# KiCad board Turbo_XT_Mainboard R3.kicad_pcb (continued)
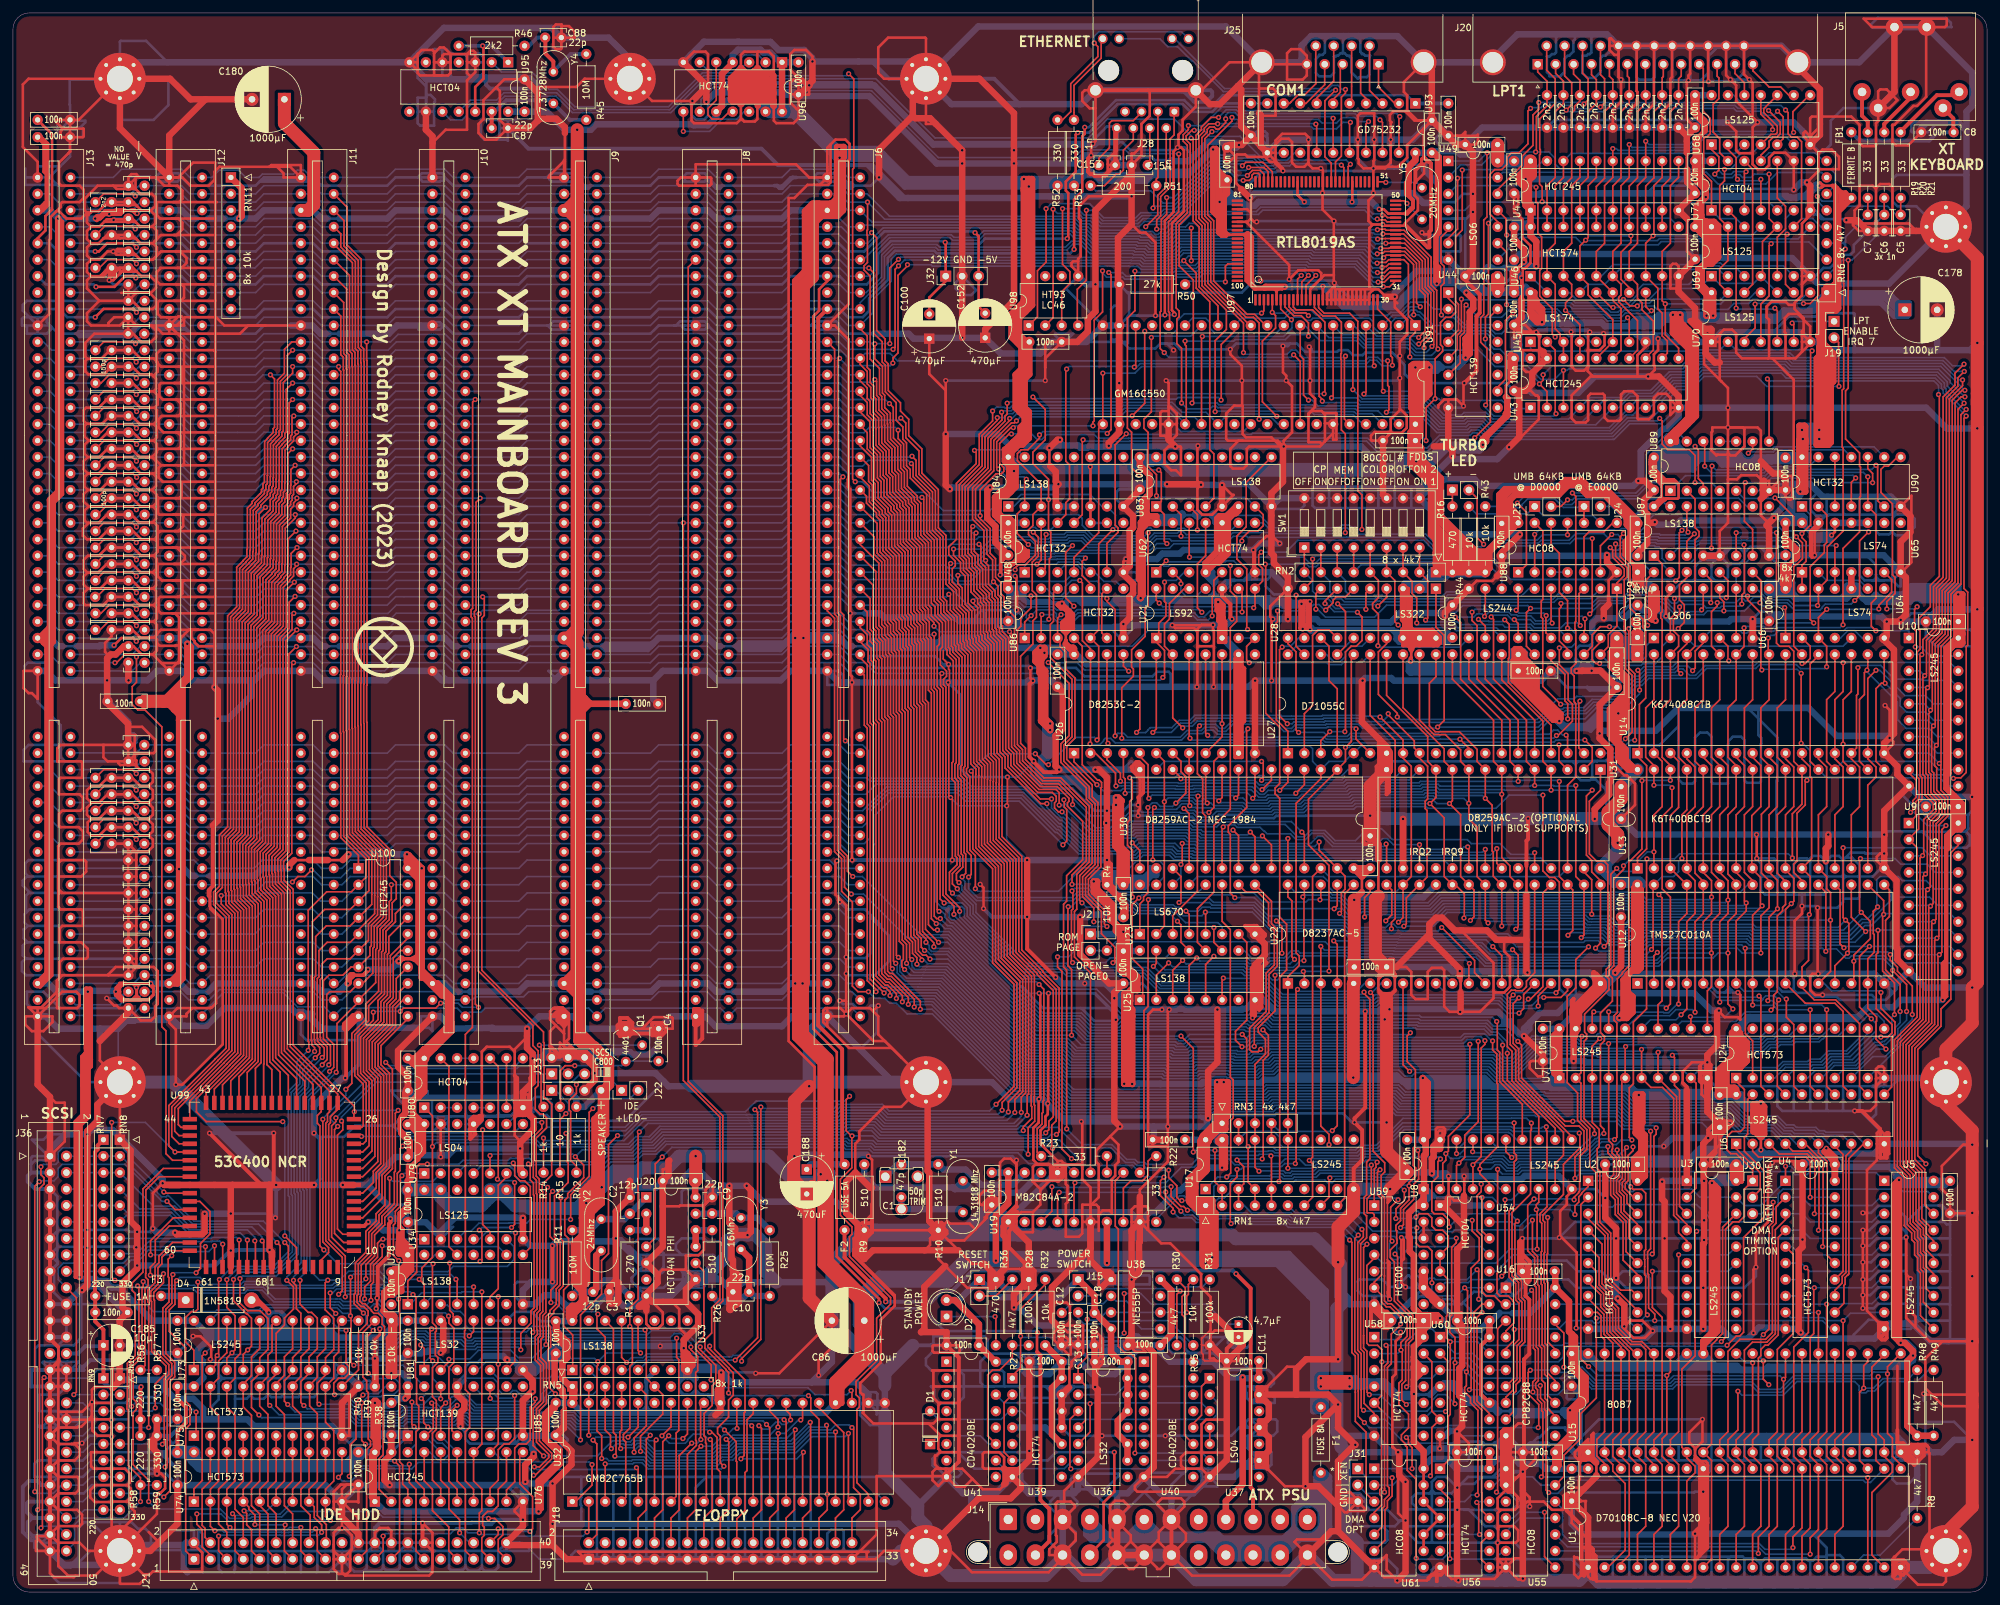
[diagram p0: board, top side]
## Routing (per net, layer and track width the routed paths; a pad name or vN(x,y) marks a point on that pad's centre or on a via; arc(x,y) is an arc through that point) (continued)
/~{KB_RESET}: length 48.9
  Top w0.25: U70.3 267.33,193.55 268.99,195.2 v1(268.99,198.88) ; R21.1 C5.1 ; v1(278.6,215.52) 278.76,215.35 278.76,200.23 277.5,198.97 v1(276.46,198.97)
  Bottom w0.25: v1(268.99,198.88) 269.09,198.98 276.44,198.98 v1(276.46,198.97) ; C5.1 290.74,212.69 289.43,214 282.07,214 281.29,214.77 279.34,214.77 v1(278.6,215.52)
/~{LOCK}: length 45.3
  Top w0.25: U1.29 271.14,10.16 269.49,8.5 v1(269.49,5.96)
  Bottom w0.25: U55.9 269.1,6.35 v1(269.49,5.96)
/~{LPT_ACK}: length 30.5
  Top w0.25: J20.10 260.99,235.28 260.99,228.62 262.06,227.55 262.06,225.21 261.58,224.73 261.33,224.73 261.05,224.45 261.05,219.04 262.25,217.83 U71.1
  Bottom w0.25: U71.1 263.52,212.09 266.06,212.09 U69.12
/~{LPT_AUTO_FD_XT}: length 86.4
  Top w0.25: v1(236.11,214.71) 236.11,217.01 235.71,217.41 235.71,221.9 235.83,222.02 235.83,222.72 235.73,222.82 235.73,227.47 238.12,229.87 238.12,233.68 236.81,235 J20.14
  Bottom w0.25: RN6.6 280.03,213.36 278.91,214.49 273.54,214.49 U71.5 271.21,214.57 261.41,214.57 261.34,214.5 236.87,214.5 236.67,214.71 v1(236.11,214.71) 236.03,214.63 225.43,214.63 224.15,213.36 U49.4
/~{LPT_BUSY}: length 21.4
  Top w0.25: U70.12 268.6,201.93 268.6,219.71 U71.12
/~{LPT_CS}: length 21.8
  Top w0.25: v1(158.1,158.72) 158.76,159.38 158.76,165.09 U48.13
  Bottom w0.25: U86.8 170.32,156.07 168.42,156.07 167.01,157.48 U48.5 166.06,157.48 164.49,159.06 161.41,159.06 161.08,158.72 v1(158.1,158.72)
/~{LPT_ERROR}: length 50.2
  Top w0.25: U68.5 273.32,224.42 273.32,227.8 v1(272.46,228.66) ; 239.57,238.76 239.57,234.13 240.66,233.05 240.66,229.68 v1(239.82,228.84)
  Bottom w0.25: v1(272.46,228.66) 271.82,228.03 270.45,228.03 269.81,228.66 266.13,228.66 265.68,229.11 246,229.11 245.49,228.6 240.06,228.6 v1(239.82,228.84)
/~{LPT_INIT}: length 91.4
  Top w0.25: v1(235.58,230) 235.58,228.98 234.7,228.09 234.7,223.39 232.99,221.69 232.99,220.31 229.24,216.56 U49.12 ; J20.16 242.34,234.54 243.2,233.68 243.2,230.41 v1(242.57,229.78) ; v1(273.69,228.85) 274.08,228.45 274.08,225.17 274.59,224.67 275.46,224.67 276.16,223.97 276.16,212.03 U69.9
  Bottom w0.25: U69.9 276.22,212.09 277.88,212.09 279.15,210.82 RN6.5 ; v1(235.58,230) 235.6,230.01 242.33,230.01 v1(242.57,229.78) 244.49,229.78 244.76,230.05 245.46,230.05 245.5,230.01 266.17,230.01 266.61,229.56 272.97,229.56 v1(273.69,228.85)
/~{LPT_IRQ_EN}: length 70.1
  Top w0.25: v1(271.46,208.22) 271.14,207.9 271.14,200.15 269.88,198.88 U70.4
  Bottom w0.25: U49.8 232.66,209.17 241.3,209.17 242.44,208.03 254,208.03 254.51,208.53 271.14,208.53 v1(271.46,208.22) 271.72,208.47 277.3,208.47 RN6.3
/~{LPT_RD_A}: length 41.5
  Top w0.25: v1(223.77,219.58) 223.77,210.31 222.74,209.28 222.74,199.3 223.19,198.85 223.19,194.9 221.62,193.32 U44.4
  Bottom w0.25: v1(223.77,219.58) 223.85,219.65 234.86,219.65 236.19,220.98 U47.19
/~{LPT_RD_B}: length 100.9
  Top w0.25: U68.4 271.45,225.1 272.14,225.1 272.42,225.37 272.42,226.37 270.33,228.46 270.33,229.05 U68.10 ; v1(248.66,199.59) 249.65,198.6 v1(250.8,198.6) ; U70.13 263.52,201.93 263.52,204.34 264.79,205.61 U69.13 263.52,212.09 263.52,217.17 264.26,217.91 v1(264.26,219.68) ; U44.5 223.01,191.89 223.01,194.08 223.64,194.71 223.64,199.65 v1(223.64,199.65)
  Bottom w0.25: U68.13 265.67,231.14 266.79,230.01 271.29,230.01 U68.10 ; U70.13 263.67,199.53 261.71,199.53 261.61,199.64 253.31,199.64 252.7,199.04 251.24,199.04 v1(250.8,198.6) ; v1(223.64,199.65) 223.76,199.53 240.76,199.53 241.21,199.08 247.99,199.08 248.49,199.59 v1(248.66,199.59) ; v1(264.26,219.68) 265.16,219.68 266.06,220.58 266.06,221.38 266.94,222.25 268.6,222.25 U68.4
/~{LPT_RD_C}: length 98
  Top w0.25: U69.4 270.13,203.45 270.13,208.53 U69.10 271.14,212.09 v1(271.14,218.95) ; v1(262.77,218.95) 263.39,219.58 263.39,221.62 262.25,222.76 U68.1 ; U44.6 223.46,189.8 223.46,193.89 224.11,194.54 224.11,198.5 v1(224.37,198.75)
  Bottom w0.25: v1(271.14,218.95) 268.86,218.95 268.35,218.44 267.04,218.44 266.61,218.87 265.91,218.87 265.46,218.42 263.3,218.42 v1(262.77,218.95) ; v1(224.37,198.75) 226.27,196.85 229.87,196.85 231.65,198.63 240.31,198.63 240.76,198.18 246.17,198.18 246.72,197.63 247.81,197.63 248.59,198.41 249.54,198.41 250.62,199.49 252.52,199.49 254.32,201.3 260.35,201.3 U69.1 263.38,202.07 268.75,202.07 U69.4 U70.10
/~{LPT_SELECT_IN}: length 91.7
  Top w0.25: v1(234.31,229.11) 233.91,228.71 233.91,223.63 232.54,222.25 231.38,222.25 230.65,221.52 230.65,220.44 229.86,219.65 228.78,219.65 228.03,218.9 228.03,212.78 229.24,211.58 U49.10 ; v1(245.11,229.33) 245.75,229.96 245.75,233.68 245.11,234.31 245.11,234.95 245.12,234.95 245.12,238.76 ; U71.11 269.88,221.87 271.14,223.14 271.14,224.04 271.75,224.65 272.32,224.65 272.87,225.19 272.87,226.98 v1(271.07,228.77)
  Bottom w0.25: RN6.9 279.53,220.98 278.26,222.25 271.14,222.25 U71.11 ; v1(234.31,229.11) 234.44,229.24 235.97,229.24 236.3,229.56 240.39,229.56 240.91,229.05 244.84,229.05 v1(245.11,229.33) 245.34,229.56 265.87,229.56 266.31,229.11 270.73,229.11 v1(271.07,228.77)
/~{LPT_STROBE}: length 88.5
  Top w0.25: J20.1 235.42,234.73 236.85,233.3 C29.1 236.85,229.49 235.22,227.85 235.22,222.48 v1(235.1,222.37) ; v1(267.59,219.33) 267.33,219.07 U71.3
  Bottom w0.25: RN6.7 281.31,217.17 281.31,219.07 280.65,219.73 267.99,219.73 v1(267.59,219.33) 265.68,219.33 265.31,218.96 263.95,218.96 263.2,219.71 238.89,219.71 238.12,220.47 238.12,221.38 237.13,222.37 v1(235.1,222.37) 228.75,222.37 226.76,220.38 223.5,220.38 221.62,218.5 U49.2
/~{LPT_WR_A}: length 52.1
  Top w0.25: v1(227.82,211.36) 227.82,197.34 227.34,196.87 v1(227.34,193.51)
  Bottom w0.25: v1(227.82,211.36) 228.61,212.15 255.84,212.15 U46.11 ; v1(227.34,193.51) 227.34,192.39 U44.12
/~{LPT_WR_C}: length 39.3
  Top w0.25: v1(231.62,197.53) 230.44,196.35 230.44,187.26 229.24,186.06 U44.10 ; 252.09,198.5 252.73,197.87 v1(252.98,197.87) ; 252.09,198.5 252.09,198.63 ; 252.09,198.5 U45.9
  Bottom w0.25: v1(252.98,197.87) 252.54,197.42 249.74,197.42 249.65,197.51 248.96,197.51 248.18,196.73 246.34,196.73 245.79,197.28 240.17,197.28 240.07,197.18 239.38,197.18 238.44,198.13 232.22,198.13 v1(231.62,197.53)
/~{MEMR}: length 643.6
  Top w0.25: U16.7 231.71,32.95 231.71,38.16 232.54,38.99 232.54,44.58 232.02,45.1 232.02,47.62 231,48.64 231,58.84 231.78,59.61 231.78,66.41 232.13,66.76 232.13,67.46 231.78,67.81 v1(231.78,72.44) ; v1(135.86,189.78) 135.89,189.81 135.89,190.57 136.65,191.34 136.65,203.33 138.12,204.79 v1(138.12,204.96) ; v1(180.34,85.85) 182.24,83.95 v1(182.24,67.94) ; U97.31 212.55,201.55 v1(211.58,201.55) ; 27.3,70.49 25.65,70.49 24.97,71.17 24.97,74.75 32.12,81.9 32.12,81.92 33.81,83.61 33.81,104.6 32.15,106.26 v1(32.15,107.55) ; v1(46.1,111.51) 45.08,110.49 44,110.49 v1(43.16,109.65) ; v1(127.63,190.5) 127.31,190.18 127.31,151.2 127.76,150.75 127.76,114.71 128.84,113.63 128.84,111.32 v1(129.67,110.49) ; RN1.2 U17.2 185.59,63.33 v1(185.59,68.2) ; v1(19.03,189.93) 18.59,190.37 18.54,190.37 18.41,190.5 14.86,190.5 13.59,189.23 C104.2 ; U100.1 53.34,113.78 50.62,116.5 50.62,132.6 50.56,132.66 50.56,141.66 50.62,141.72 50.62,188.48 50.28,188.81 v1(50.28,189.23)
  Bottom w0.25: v1(138.12,204.96) 141.75,204.96 141.97,204.74 172.28,204.74 172.32,204.71 173.68,204.71 174.15,204.24 179.03,204.24 179.19,204.41 182.7,204.41 183.23,204.94 199.66,204.94 199.99,204.61 207.12,204.61 210.19,201.55 v1(211.58,201.55) ; C104.2 6.98,189.23 5.71,190.5 J13.12 ; U100.1 52.07,111.76 50.62,110.31 47.55,110.31 46.35,111.51 v1(46.1,111.51) ; v1(135.86,189.78) 135.46,189.38 128.76,189.38 v1(127.63,190.5) J6.12 120.01,190.5 118.75,189.23 108.58,189.23 107.31,190.5 J8.12 99.69,190.5 98.42,189.23 88.26,189.23 86.99,190.5 J9.12 79.38,190.5 78.1,189.23 67.94,189.23 66.67,190.5 J10.12 59.05,190.5 57.78,189.23 v1(50.28,189.23) 47.62,189.23 46.35,190.5 J11.12 38.73,190.5 37.46,189.23 27.3,189.23 26.03,190.5 J12.12 19.68,190.5 19.11,189.93 v1(19.03,189.93) ; v1(182.24,67.94) 182.5,68.2 v1(185.59,68.2) 185.74,68.06 193.79,68.06 193.87,68.14 194.51,68.14 194.82,67.82 207.49,67.82 208.2,68.53 210.64,68.53 214.56,72.44 v1(231.78,72.44) ; v1(129.67,110.49) 131.15,110.49 140.13,101.5 144.4,101.5 158.3,87.61 164.23,87.61 165.99,85.85 180.34,85.85 v1(180.34,85.85) ; v1(32.15,107.55) 36.94,107.55 39.03,109.65 v1(43.16,109.65)
/~{MEMW}: length 645
  Top w0.25: v1(234.44,72.41) 234.44,71.38 234.31,71.25 234.31,61.47 231.45,58.6 231.45,48.82 232.47,47.81 232.47,45.29 232.99,44.77 232.99,38.8 232.22,38.04 232.22,32.83 231.63,32.24 231.63,31.21 230.5,30.08 U16.8 ; J11.11 43.05,193.04 41.91,191.9 41.91,188.21 40.84,187.14 40.84,179.67 40.62,179.46 40.62,178.87 39.75,178 39.75,177.93 39.31,177.49 39.31,172.43 39.27,172.4 39.27,171.17 39.06,170.95 39.06,170.28 38.82,170.04 38.82,169.63 37.37,168.18 37.37,167.93 36.65,167.2 36.65,160.89 36.57,160.82 36.57,159.69 35.97,159.08 35.97,159.04 34.99,158.06 34.99,151.96 33.6,150.56 33.6,117.99 32.33,116.72 32.33,108.8 31.43,107.9 31.43,106.35 33.36,104.42 33.36,83.8 31.67,82.1 31.67,82.08 24.52,74.94 24.52,70.35 25.65,69.22 27.3,69.22 ; U97.32 212.61,203.14 211.75,202.27 v1(210.79,202.27) ; C103.2 14.01,193.04 18.64,193.04 v1(18.92,192.76) ; v1(189.8,86.11) 190.49,85.42 190.49,69 v1(190.7,68.78) 190.7,63.3 U17.4 RN1.4 ; v1(136.73,204.78) 136.2,204.25 136.2,192.21 v1(135.89,191.9) ; v1(129.44,107.78) 128.39,108.84 128.39,113.44 127.31,114.53 127.31,150.57 126.86,151.01 126.86,191.91 J6.11
  Bottom w0.25: C103.2 5.97,191.77 4.7,193.04 J13.11 ; v1(190.7,68.78) 190.77,68.72 194.57,68.72 195.01,68.27 207.3,68.27 208.01,68.98 210.46,68.98 214.63,73.15 231.36,73.15 231.38,73.17 233.69,73.17 v1(234.44,72.41) ; v1(129.44,107.78) 131.32,107.78 138.04,101.05 144.21,101.05 158.11,87.16 164.04,87.16 165.8,85.4 179.75,85.4 180.02,85.13 180.7,85.13 181.68,86.11 v1(189.8,86.11) ; v1(18.92,192.76) 19.2,193.04 J12.11 26.03,193.04 27.3,191.77 37.46,191.77 38.73,193.04 J11.11 46.35,193.04 47.62,191.77 57.91,191.77 59.18,193.04 J10.11 66.67,193.04 67.94,191.77 78.1,191.77 79.38,193.04 J9.11 86.99,193.04 88.26,191.77 98.42,191.77 99.69,193.04 J8.11 107.31,193.04 108.58,191.77 118.75,191.77 120.01,193.04 J6.11 127.6,193.04 128.74,191.9 v1(135.89,191.9) ; v1(136.73,204.78) 137.64,205.69 141.66,205.69 142.15,205.19 172.47,205.19 172.5,205.16 173.87,205.16 174.34,204.69 178.84,204.69 179.01,204.86 182.52,204.86 183.05,205.39 199.85,205.39 200.17,205.06 207.31,205.06 210.1,202.27 v1(210.79,202.27)
/~{MOTEA}: length 25.6
  Top w0.25: v1(103.44,23.7) 104.14,24.4 U32.33 ; v1(101.25,24.14) 100.33,23.21 100.33,12.7 99.06,11.43 J18.10
  Bottom w0.25: v1(103.44,23.7) 101.69,23.7 v1(101.25,24.14)
/~{MOTEB}: length 31.2
  Top w0.25: U32.34 101.6,25.53 v1(100.2,24.13) ; J18.16 106.68,11.43 107.95,12.7 107.95,23.28 v1(107.66,23.57)
  Bottom w0.25: v1(107.66,23.57) 107.37,23.57 106.55,24.38 105.03,24.38 104.16,23.52 104.16,23.35 103.79,22.98 101.36,22.98 v1(100.2,24.13)
/~{MR}: length 128.2
  Bottom w0.25: J6.89 127.34,111.76 126.07,113.03 120.01,113.03 118.75,111.76 J8.89 108.58,111.76 107.31,113.03 99.69,113.03 98.42,111.76 J9.89 88.26,111.76 86.99,113.03 79.38,113.03 78.1,111.76 J10.89 67.94,111.76 66.67,113.03 52.07,113.03 50.8,111.76 J11.89 47.62,111.76 46.35,113.03 38.48,113.03 37.21,111.76 J12.89 27.94,113.03 C167.2 19.01,111.76 J13.89
/~{MWTC}: length 69.3
  Top w0.25: U16.9 231.65,27.81 231.65,30.59 232.08,31.02 232.08,32.05 232.5,32.47 232.59,32.52 232.62,32.59 232.67,32.65 232.67,37.86 233.44,38.62 233.44,44.95 232.92,45.47 232.92,47.99 231.9,49.01 231.9,56.9 v1(232.28,57.28)
  Bottom w0.25: v1(232.28,57.28) 231.14,58.42 217.3,58.42 216.92,58.8 216.4,58.8 216.17,58.56 197.98,58.56 RN1.6
/~{MW}: length 128.2
  Bottom w0.25: J6.90 128.9,109.22 127.63,110.49 120.01,110.49 118.75,109.22 J8.90 108.58,109.22 107.31,110.49 99.69,110.49 98.42,109.22 J9.90 88.26,109.22 86.99,110.49 79.38,110.49 78.1,109.22 J10.90 67.94,109.22 66.67,110.49 52.07,110.49 50.8,109.22 J11.90 47.62,109.22 46.35,110.49 38.61,110.49 37.34,109.22 J12.90 26.77,109.22 25.5,110.49 C168.2 19.01,109.22 J13.90
/~{OE_RD_H}: length 100.7
  Top w0.25: v1(19.24,47.27) 19.45,47.06 19.45,36.48 18.11,35.14 18.11,28.89 v1(18.33,28.67) ; v1(55.28,45.05) 55.28,47.45 55.67,47.84 55.67,50.45 57.01,51.8 v1(57.01,53.48) ; v1(28.27,27.79) 28.27,24.46 U75.1
  Bottom w0.25: U78.10 74.93,53.34 57.15,53.34 v1(57.01,53.48) ; v1(18.33,28.67) 18.84,29.17 22.73,29.17 23.72,28.19 27.87,28.19 v1(28.27,27.79) ; v1(19.24,47.27) 19.64,46.87 27.81,46.87 28.52,46.16 35.75,46.16 36.2,46.61 38.48,46.61 40.28,44.81 49.75,44.81 49.76,44.8 50.41,44.8 50.95,44.25 54.47,44.25 v1(55.28,45.05)
/~{OE_WR_H_DLY}: length 68.8
  Top w0.25: U81.11 71.12,40.22 v1(70.46,39.56) ; v1(29.68,36.93) 29.21,36.46 29.21,17.27 29.24,17.24 27.94,15.94 U74.1
  Bottom w0.25: v1(70.46,39.56) 70.13,39.89 64.2,39.89 63.78,40.31 60.02,40.31 57.99,38.28 31.03,38.28 v1(29.68,36.93)
/~{OE_WR_H}: length 31.4
  Top w0.25: U80.13 67.31,81.15 67.31,53.34 U78.13
/~{PPI_CS}: length 77.7
  Top w0.25: U27.6 207.37,131.72 v1(207.37,133.31) ; v1(170.18,132.21) 170.18,151.71 168.91,152.98 v1(168.91,153.42)
  Bottom w0.25: v1(168.91,153.42) 168.73,153.42 167.78,154.36 167.78,155.68 167.39,156.08 165.98,156.08 165.1,156.96 165.1,157.81 164.3,158.61 162.42,158.61 U48.3 ; v1(207.37,133.31) 207.09,133.58 202.97,133.58 202.84,133.45 198.86,133.45 198.85,133.47 198.15,133.47 197.59,132.9 196.22,132.9 195.09,134.03 188.39,134.03 187.27,132.92 186.15,132.92 185.52,133.54 184,133.54 183.5,133.03 181.26,133.03 180.25,132.02 172.09,132.02 171.5,132.61 170.58,132.61 v1(170.18,132.21)
/~{PPI_PB3}: length 38
  Top w0.25: v1(244.98,143.38) 244.42,143.38 243.84,143.96 243.84,145.41 245.11,146.68 U29.19 ; RN4.6 264.79,156.21 264.79,153.8 v1(264.55,153.55) ; v1(256.54,153.42) 256.54,150.95 255.9,150.31 255.9,147.32
  Bottom w0.25: 255.9,147.32 254.63,146.05 254.63,144.41 253.58,143.35 251.65,143.35 251.4,143.09 245.27,143.09 v1(244.98,143.38) ; v1(264.55,153.55) 256.67,153.55 v1(256.54,153.42)
/~{PPI_PB6}: length 10.2
  Top w0.25: U66.6 U66.9
  Bottom w0.25: RN4.7 U66.9
/~{PPI_PB7}: length 108.4
  Top w0.25: v1(264.16,151.51) 264.16,152.91 263.52,153.54 263.52,154.94 ; v1(243.46,151.03) 243.84,151.42 v1(243.84,162.69) ; U64.1 273.69,151.89 v1(273.56,152.02) ; U28.9 200.66,156.21 v1(200.66,159.51) ; v1(269.73,152.76) 269.88,152.91 269.88,156.21 268.6,157.48
  Bottom w0.25: v1(243.84,162.69) 241.17,162.69 240.41,161.93 236.09,161.93 235.71,161.54 229.17,161.54 227.64,160.02 201.17,160.02 v1(200.66,159.51) ; v1(243.46,151.03) 245.08,152.65 248.92,152.65 249.79,153.53 251.84,153.53 252.45,152.91 254.65,152.91 256.62,150.94 261.05,150.94 261.62,151.51 v1(264.16,151.51) 267.33,151.51 268.59,152.76 v1(269.73,152.76) 270.22,152.27 273.3,152.27 v1(273.56,152.02)
/~{RAM_ACT}: length 45.5
  Top w0.25: v1(293.72,145.95) 293.86,146.09 293.86,148.38 293.61,148.64 293.61,151.75 v1(294,152.15) ; U90.8 290.96,175.26 289.56,173.86 288.93,173.86 288.42,173.35 288.42,169.8 290.19,168.02 290.19,157.08 290.59,156.68 290.59,154.2 289.32,152.93 v1(289.32,151.81)
  Bottom w0.25: U10.19 300.1,144.53 296.04,144.53 294.61,145.95 v1(293.72,145.95) ; v1(289.32,151.81) 293.67,151.81 v1(294,152.15)
/~{RAMCS1}: length 69.3
  Top w0.25: U88.6 245.11,161.56 v1(246.85,163.3) ; v1(272.05,168.96) 274.96,166.05 274.96,163.35 v1(275.36,162.95) 276.29,162.02 276.29,159.55 275.42,158.69 275.3,158.69 274.95,158.35 274.95,146.05 U14.22
  Bottom w0.25: v1(272.05,168.96) 271.98,168.89 267.23,168.89 U89.5 ; v1(246.85,163.3) 247.8,163.3 248.6,162.5 253.83,162.5 253.99,162.33 259.42,162.33 259.77,162.69 259.95,162.69 260.09,162.83 266.69,162.83 266.75,162.89 267.82,162.89 267.88,162.83 275.24,162.83 v1(275.36,162.95)
/~{RDD}: length 72.5
  Top w0.25: v1(125.62,25.76) 125.73,25.64 125.73,12.7 124.46,11.43 J18.30 ; RN5.5 97.79,30.48 97.79,25.67 95.9,23.79 v1(95.9,21.59)
  Bottom w0.25: v1(95.9,21.59) 95.9,21.81 96.59,22.5 97.17,22.5 98.78,20.9 108.26,20.9 109.1,21.74 110.58,21.74 111.72,22.88 117.42,22.88 117.44,22.86 118.88,22.86 118.9,22.88 120.28,22.88 122.88,25.48 125.34,25.48 v1(125.62,25.76) ; v1(125.73,15.11) 133.48,15.11 U32.20
/~{RDY}_WAIT: length 110.3
  Top w0.25: v1(208.28,56.01) 208.5,55.79 208.5,54.83 207.63,53.97 207.63,37.35 208.16,36.82 208.16,31.24 208.16,31.23 208.16,28.44 v1(208.53,28.07) ; v1(221.2,27.88) 221.47,28.15 221.47,35.7 U60.2 ; U19.3 160.4,58.8 160.4,62.58 v1(160.41,62.59) ; v1(181.34,58.96) 180.76,59.54 180.35,59.54 178.81,61.08 v1(178.81,62.6)
  Bottom w0.25: v1(208.28,56.01) 206.62,57.66 197.51,57.66 197.06,58.11 190.94,58.11 190.49,58.56 185.85,58.56 185.25,57.97 183.08,57.97 182.09,58.96 v1(181.34,58.96) ; v1(160.41,62.59) 160.52,62.48 177.63,62.48 177.75,62.6 v1(178.81,62.6) ; v1(221.2,27.88) 221.13,27.94 219.07,27.94 U58.9 212.79,26.67 211.52,27.94 208.66,27.94 v1(208.53,28.07)
/~{REFRESH}: length 355.6
  Top w0.25: 240.66,69.85 240.66,70.36 232.03,78.99 232.03,83.69 231.18,84.55 231.18,91.74 v1(231.63,92.19) ; v1(236.22,123.06) 236.22,111.36 237.24,110.35 238.03,110.35 238.76,109.62 238.76,93.05 v1(238.25,92.55) ; v1(128.14,172.21) 127.76,171.83 127.76,151.38 128.27,150.88 128.27,131.7 v1(128.52,131.44) ; v1(19.1,172.13) 18.49,172.74 14.03,172.74 C112.2
  Bottom w0.25: v1(128.52,131.44) 129.16,130.81 131.19,130.81 132.08,129.92 132.08,126.11 132.53,125.66 146.75,125.66 148.03,124.39 156.41,124.39 157.48,123.32 162.95,123.32 166.42,119.85 171.81,119.85 172.58,120.61 174.08,120.61 174.28,120.41 180.18,120.41 180.33,120.26 182.24,120.26 182.84,119.65 184.95,119.65 185.84,120.54 189.45,120.54 189.96,120.03 194.47,120.03 194.82,120.37 199.36,120.37 199.89,120.9 207.04,120.9 207.42,121.28 218.17,121.28 218.43,121.03 228.98,121.03 231.01,123.06 v1(236.22,123.06) ; v1(231.63,92.19) 231.98,92.55 v1(238.25,92.55) ; v1(128.14,172.21) 127.63,172.72 J6.19 120.01,172.72 118.75,171.45 108.58,171.45 107.31,172.72 J8.19 99.69,172.72 98.42,171.45 88.26,171.45 86.99,172.72 J9.19 79.38,172.72 78.1,171.45 67.94,171.45 66.67,172.72 J10.19 59.05,172.72 57.78,171.45 47.62,171.45 46.35,172.72 J11.19 38.73,172.72 37.46,171.45 27.3,171.45 26.03,172.72 J12.19 19.68,172.72 19.1,172.13 v1(19.1,172.13) ; J13.19 5.71,172.72 6.98,171.45 C112.2
/~{RESET}: length 634.1
  Top w0.25: v1(214.82,62.05) 214.82,60.46 213.54,59.18 213.54,57.7 v1(213.52,57.68) ; 276.22,154.94 U65.1 276.22,158.53 276.86,159.16 276.86,162.18 276.22,162.81 v1(276.22,163.45) 277.56,164.78 277.56,191.44 v1(277.79,191.67) ; v1(60.17,68.87) 59.77,68.47 59.77,65.08 59.33,64.65 59.33,59.77 57.41,57.85 57.41,56.72 55.83,55.14 55.83,51.89 54.49,50.55 v1(54.49,48.38) ; v1(216.62,57.9) 217.14,58.42 218.44,58.42 219.07,57.79 219.07,56.51 219.71,55.88 220.73,55.88 221.62,54.99 221.62,53.34 U54.4 U54.5 221.48,48.39 221.48,42.73 221.32,42.57 221.32,39.25 v1(221.92,38.65) 221.92,27.43 221.62,27.12 221.62,20.32 U56.1 ; J21.1 26.67,6.35 26.67,25.21 27.33,25.87 27.33,28.8 26.67,29.46 26.67,37.72 24.13,40.26 24.13,43.56 25.02,44.45 25.02,47.85 v1(25.27,48.1) ; v1(195.48,63.4) 195.58,63.5 195.58,95 196.65,96.07 196.65,103.12 195.58,104.2 195.58,122.57 194.87,123.27 194.87,124.15 195.58,124.85 195.58,133.55 193.42,135.7 193.42,158.65 v1(193.35,158.72) ; v1(180.47,60.45) 180.21,60.45 179.7,60.96 179.7,62.74 178.44,64.01 v1(178.44,65.15) ; v1(256.74,156.14) 257.28,156.69 257.28,163.56 v1(257.68,163.96) ; U62.1 176.53,157.73 v1(178.05,159.25)
  Bottom w0.25: v1(178.05,159.25) 178.22,159.08 187.15,159.08 187.3,159.23 188.5,159.23 189,158.72 v1(193.35,158.72) 199.74,158.72 200.13,158.34 201.19,158.34 201.98,159.12 228.48,159.12 231.25,156.35 256.52,156.35 v1(256.74,156.14) ; v1(180.47,60.45) 181.23,60.45 183.27,58.42 185.07,58.42 185.42,58.77 185.42,60.07 186.18,60.83 187.01,60.83 187.96,61.79 187.96,62.74 188.58,63.36 195.43,63.36 v1(195.48,63.4) 195.51,63.37 197.76,63.37 198.02,63.63 202.56,63.63 202.97,63.22 203.69,63.22 204.22,63.75 210.02,63.75 210.19,63.59 213.28,63.59 v1(214.82,62.05) ; v1(257.68,163.96) 258.13,164.4 272.72,164.4 273.27,163.85 275.83,163.85 v1(276.22,163.45) ; v1(178.44,65.15) 175.27,65.15 174.53,65.9 173.5,65.9 173.05,66.35 171.78,66.35 169.54,68.58 164.52,68.58 161.35,71.75 156.57,71.75 156.34,71.99 155.64,71.99 155.14,71.48 134.25,71.48 133.12,72.61 128.59,72.61 127.91,71.92 114.03,71.92 114.03,71.92 99.86,71.92 98.26,70.32 96.17,70.32 95.03,69.18 81.44,69.18 80.77,69.86 61.15,69.86 v1(60.17,68.87) ; v1(25.27,48.1) 25.75,48.58 28.9,48.58 29.97,47.51 35.19,47.51 35.64,47.96 39.04,47.96 39.63,47.37 49.27,47.37 49.62,47.71 50.64,47.71 50.78,47.86 53.97,47.86 v1(54.49,48.38) ; U45.1 234.31,191.99 234.68,191.63 259.3,191.63 259.49,191.81 263.57,191.81 U70.2 266.02,191.81 277.65,191.81 v1(277.79,191.67) ; U58.1 210.57,38.99 215.52,38.99 217.17,40.64 219.07,40.64 U60.1 221.2,39.37 v1(221.92,38.65) 226.14,38.65 U60.13 ; v1(216.62,57.9) 216.4,57.68 v1(213.52,57.68)
/~{RES}: length 57.7
  Top w0.25: v1(173.23,21.46) 173.35,21.59 173.35,36.08 172.46,36.97 171.62,36.97 170.67,37.93 170.67,56.02 170.2,56.5 170.2,63.52 U19.11
  Bottom w0.25: v1(173.23,21.46) 183.64,21.46 U37.6
/~{ROM_RD}: length 38.2
  Top w0.25: U90.6 288.8,167.64 287.91,168.53 287.91,173.74 v1(287.65,173.99) ; U89.12 261.2,177.46 v1(261.2,173.86)
  Bottom w0.25: v1(261.2,173.86) 262.22,172.84 270.4,172.84 270.91,173.35 287.01,173.35 v1(287.65,173.99)
/~{ROMCS}: length 94.9
  Top w0.25: v1(267.46,171.32) 267.33,171.2 267.33,165.35 268.6,164.08 268.6,160.02 ; v1(270.02,142.38) 269.88,142.53 269.88,151.16 267.83,153.21 v1(267.83,153.78) ; v1(276.1,131.06) v1(276.1,141.86) ; v1(276.99,125.35) 276.86,125.35 276.73,125.22 276.73,121.54 275.46,120.27 275.46,112.9 274.95,112.4 274.95,111.12 276.22,109.85 U12.22 ; v1(284.52,172.03) 283.84,171.36 U90.4
  Bottom w0.25: v1(270.02,142.38) 270.13,142.49 275.46,142.49 v1(276.1,141.86) ; v1(284.52,172.03) 284.1,172.45 271.28,172.45 270.16,171.32 v1(267.46,171.32) ; v1(276.99,125.35) 277.5,125.86 277.5,129.94 276.37,131.06 v1(276.1,131.06) ; 268.6,160.02 267.33,158.75 267.33,154.27 v1(267.83,153.78)
/~{RQ_GT}: length 20.5
  Top w0.25: U1.30 268.6,19.69 267.33,20.95 267.33,23.5 268.6,24.76 v1(268.6,35.39)
  Bottom w0.25: v1(268.6,35.39) 267.5,35.39 U15.31
/~{S0}: length 120.7
  Top w0.25: v1(278.76,43.18) U15.26 278.76,24.76 277.5,23.5 277.5,20.95 278.76,19.69 U1.26 278.76,9.65 277.5,8.38 v1(277.5,5.84)
  Bottom w0.25: v1(278.76,43.18) 277.5,43.18 276.22,44.45 U16.19 ; U55.10 240.03,6.99 269.49,6.99 270.64,5.84 v1(277.5,5.84)
/~{S1}: length 110.5
  Top w0.25: v1(274.83,6.86) 274.83,8.51 276.22,9.91 U1.27 276.22,19.69 274.95,20.95 274.95,23.5 276.22,24.76 U15.27 ; v1(229.05,15.42) 229.24,15.61 229.24,40.64 U16.3
  Bottom w0.25: v1(229.05,15.42) 229.24,15.24 231.01,15.24 232.28,13.97 U55.12 239.27,12.83 239.27,8.89 240.66,7.49 269.62,7.49 270.51,6.6 274.57,6.6 v1(274.83,6.86)
/~{S2}: length 61.8
  Top w0.25: v1(239.45,34.73) 239.45,39.99 238.12,41.32 U16.18 ; U15.28 273.69,33.16 v1(273.38,32.85) 273.38,24.46 272.41,23.5 272.41,20.95 273.69,19.69 U1.28
  Bottom w0.25: v1(273.38,32.85) 272.82,33.4 256.39,33.4 255.7,32.72 244.32,32.72 242.31,34.73 v1(239.45,34.73)
/~{SCSI_ACK}: length 57.8
  Top w0.25: 27.3,56.51 24.13,56.51 21.98,54.36 21.98,50.93 21.21,50.17 v1(21.21,48.94) ; v1(23.08,22.82) 23.35,23.09 23.35,32.88 24.07,33.6 24.07,35.11 21.86,37.32 21.86,45.06 21.73,45.18 21.73,46.26 23.24,47.77 v1(23.24,49.15)
  Bottom w0.25: v1(21.21,48.94) 23.03,48.94 v1(23.24,49.15) ; v1(23.08,22.82) 23.04,22.86 RN10.5 RN9.5 12.06,22.86 10.79,21.59 8.25,21.59
/~{SCSI_ATN}: length 44.8
  Top w0.25: v1(21.97,28.45) 21.97,32.14 23.62,33.79 23.62,34.92 21.41,37.14 21.41,44.87 21.28,44.99 21.28,46.45 22.39,47.55 22.39,50.07 22.99,50.68 22.99,51.7 24,52.7 27.3,52.7
  Bottom w0.25: v1(21.97,28.45) 21.46,27.94 RN10.3 RN9.3 12.06,27.94 10.79,29.21 8.25,29.21
/~{SCSI_BSY}: length 46.1
  Top w0.25: v1(20.95,25.4) 20.95,44.69 20.83,44.81 20.83,46.63 20.95,46.75 20.95,46.79 21.94,47.78 21.94,50.26 22.54,50.87 22.54,51.88 24.64,53.98 27.3,53.98
  Bottom w0.25: 8.25,24.13 10.79,24.13 12.06,25.4 RN9.4 RN10.4 v1(20.95,25.4)
/~{SCSI_CD}: length 95.5
  Top w0.25: v1(23.3,61.76) 23.47,61.6 27.3,61.6 ; v1(4.32,65.67) 4.32,64.45 4.79,63.97 4.79,63.01 4.09,62.31 4.09,12.97 v1(3.81,12.7)
  Bottom w0.25: v1(3.81,12.7) 6.98,12.7 8.25,11.43 9.78,11.43 11.05,12.7 RN9.9 RN10.9 ; v1(4.32,65.67) 4.69,66.04 6.6,66.04 6.98,66.42 6.98,67.93 7.64,68.58 16.91,68.58 17.78,67.71 17.78,67.28 v1(23.3,61.76)
/~{SCSI_DB0}: length 43.4
  Top w0.25: v1(41.97,53.97) 42.52,53.42 U99.3
  Bottom w0.25: 8.25,67.31 RN7.2 RN8.2 16.68,67.31 22.95,61.04 23.65,61.04 23.86,61.25 23.97,61.25 27.94,57.28 38.66,57.28 v1(41.97,53.97)
/~{SCSI_DB1}: length 41
  Top w0.25: U99.2 41.25,53.49 v1(40.77,53.98)
  Bottom w0.25: 8.25,64.77 RN7.3 RN8.3 21.68,59.6 24.98,59.6 27.75,56.83 37.92,56.83 v1(40.77,53.98)
/~{SCSI_DB2}: length 38
  Top w0.25: U99.68 38.71,54 v1(38.48,54.23)
  Bottom w0.25: 8.25,62.23 RN7.4 RN8.4 19.59,59.15 24.6,59.15 27.38,56.38 36.9,56.38 38.48,54.79 v1(38.48,54.23)